# Altium PCB LimeKEY-RPCM_1v2.PcbDoc (part 1 of 8) (continued)
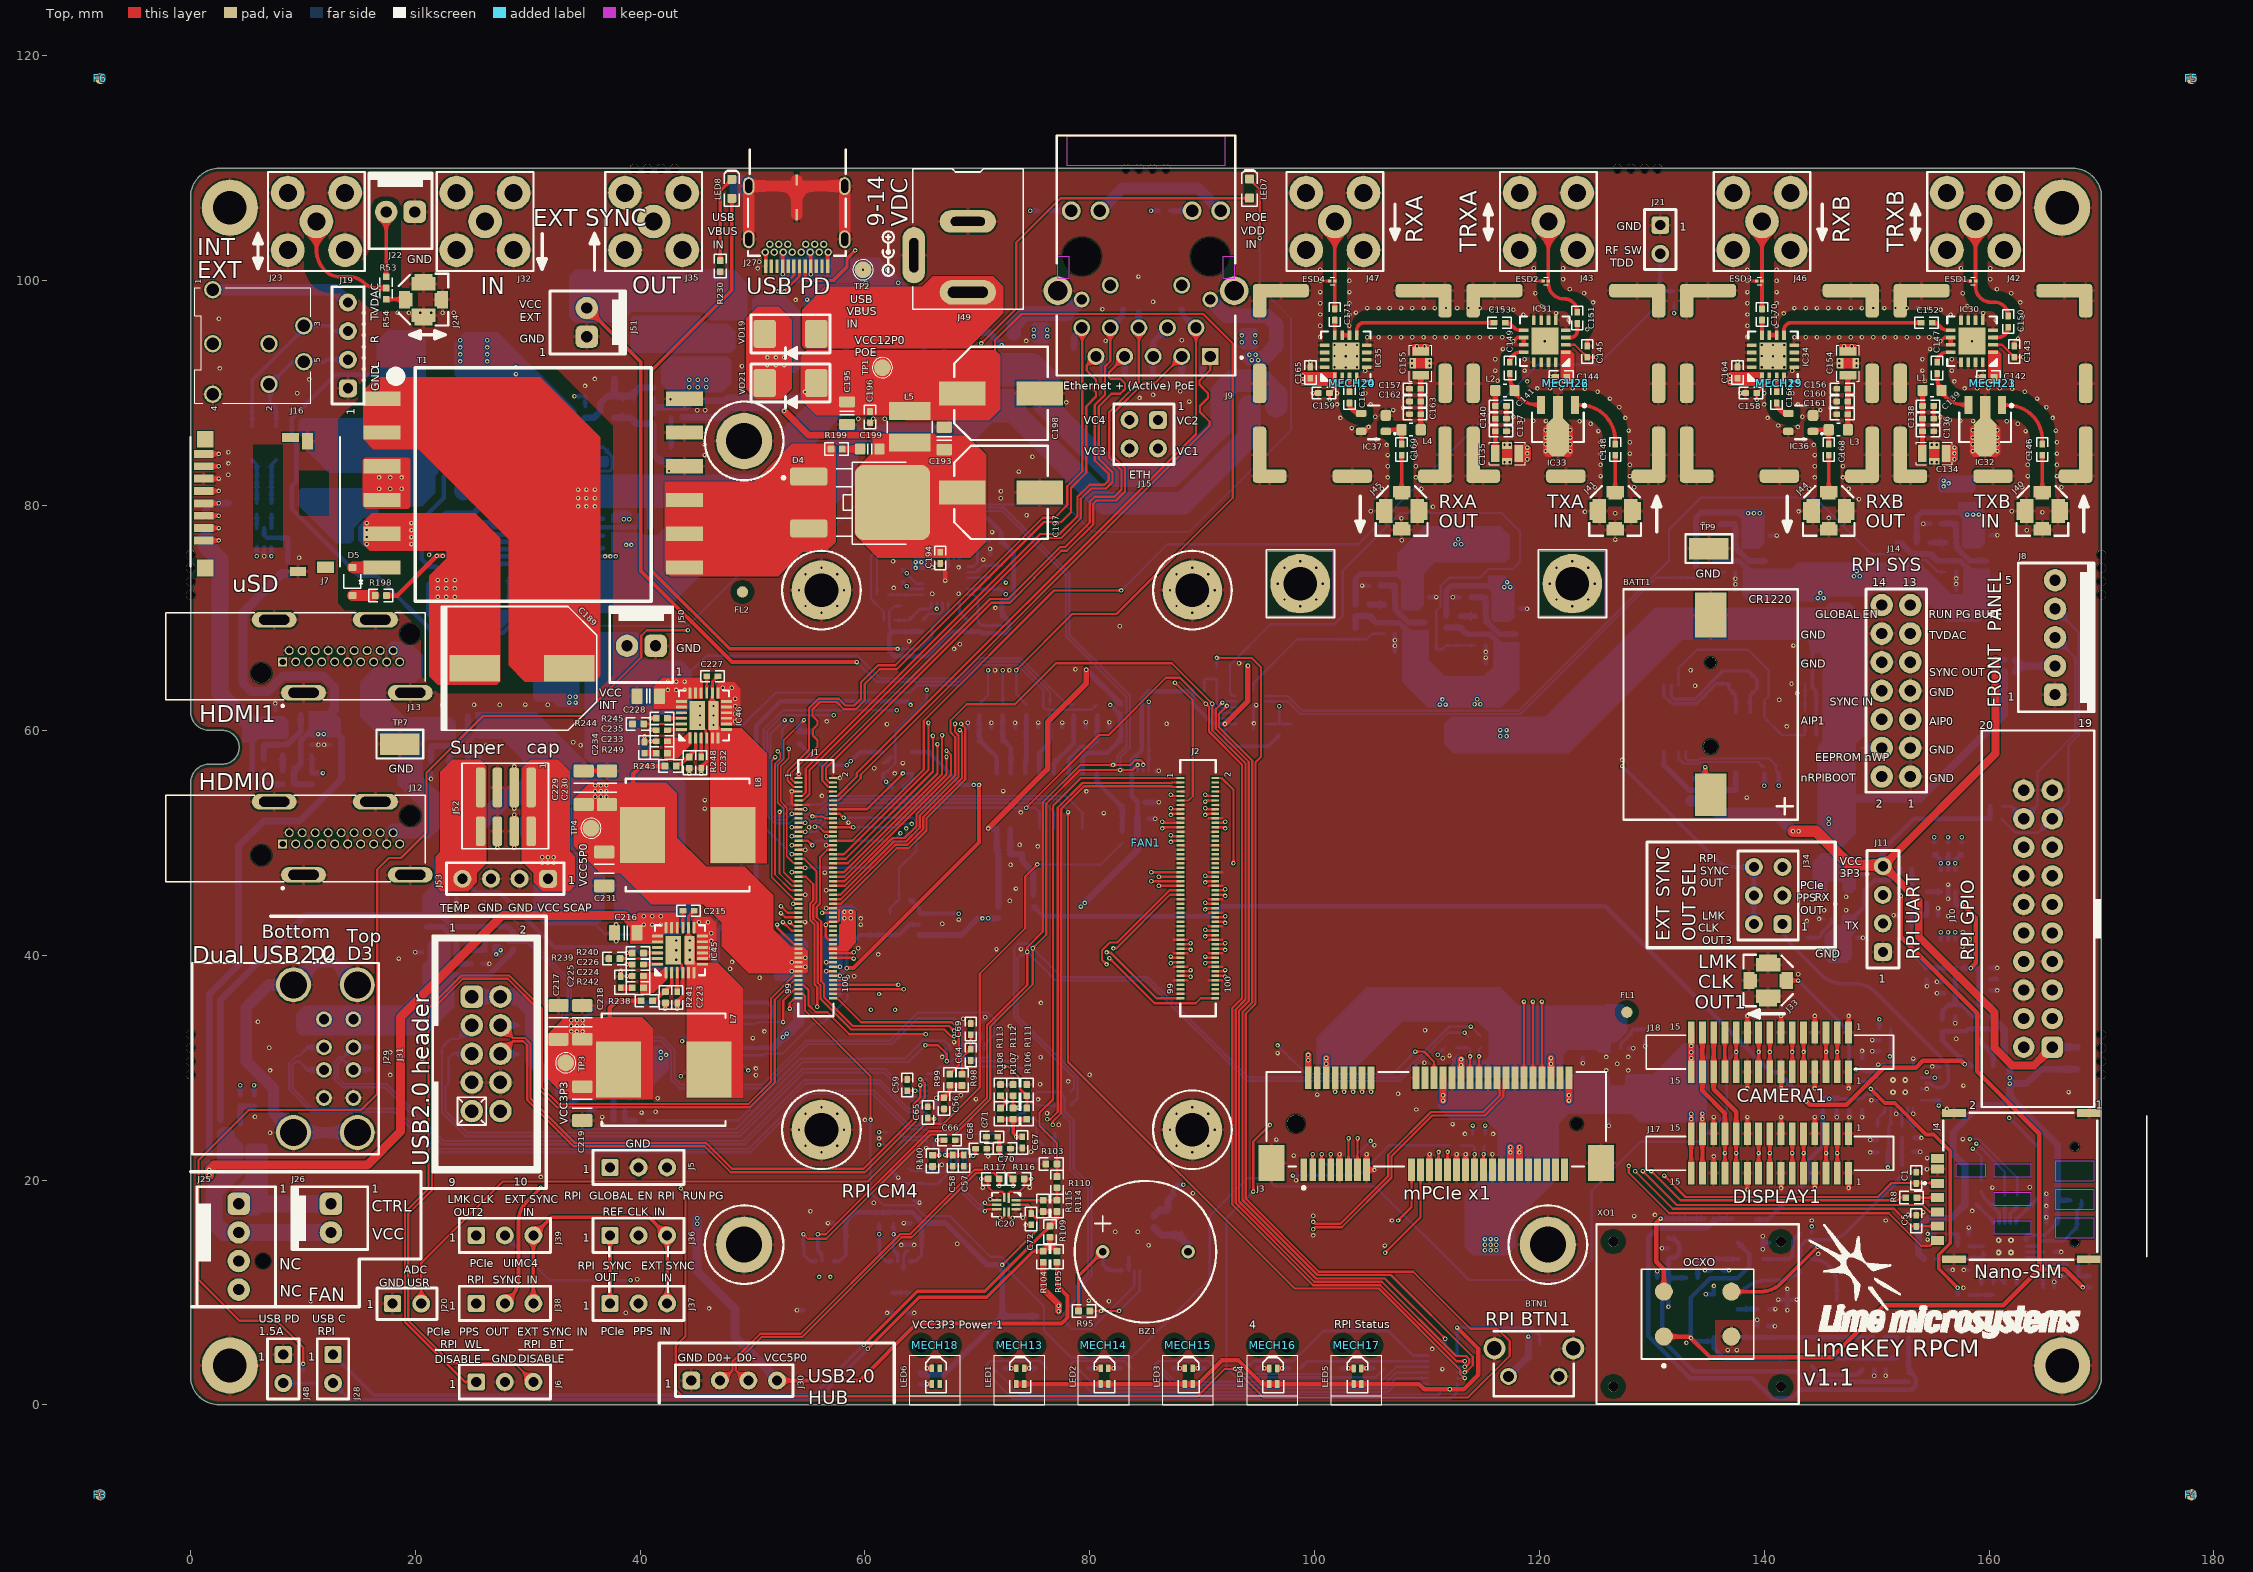
[diagram p0: Top view]
## Components (designator, comment, footprint, x,y, rotation, side; value= is the part's Value field where it differs from the comment)
AT1 "PS2801-1-A" TCMT1107CT_optoisolator 39.6,84.55 r270 bottom
BATT1 "CR1220 Battery Holder" CR1220_SMD_holder 135.225,62.55 r270 top
BR1 "KMB210S" KMB210S_RECTIFIER_BRIDGE 95.375,91.85 r0 bottom
BR2 "KMB210S" KMB210S_RECTIFIER_BRIDGE 74.425,92.35 r0 bottom
BTN1 "Switch tactile right edge" SW_TACTILE_RIGHT_EDGE 119.5,3.775 r0 top
BZ1 "WST-1203UX" BUZZER_WST-1203UX 84.95,13.625 r90 top locked
C1 "1uF, 10V" CAP0402#1 153.525,20.2 r270 top
C2 "47uF, 10V" CAP1206#1 51.125,38.65 r0 bottom
C3 "47uF, 10V" CAP1206#1 51.15,41.005 r0 bottom
C4 "47uF, 10V" CAP1206#1 58.725,37.4 r180 bottom
C5 "22pF, 50V" CAP0402#1 153.525,16.375 r270 top
C6 "47uF, 10V" CAP1206#1 58.725,39.898 r180 bottom
C7 "100nF, 16V" CAP0402#2 60.838,42.3 r90 bottom
C8 "100nF, 16V" CAP0402#2 66.212,42.3 r90 bottom
C9 "100nF, 16V" CAP0402#2 55.7,59.9 r0 bottom
C10 "100nF, 16V" CAP0402#2 51.8,34.05 r270 bottom
C11 "10uF, 16V" CAP0603#1 3.375,81.05 r270 bottom
C12 "100nF, 16V" CAP0402#2 1.8,80.7 r90 bottom
C13 "100nF, 16V" CAP0402#2 65.587,57.575 r270 bottom
C14 "100nF, 16V" CAP0402#2 163.632,65.232 r270 bottom
C15 "100nF, 16V" CAP0402#2 60.213,57.575 r270 bottom
C16 "100nF, 16V" CAP0402#2 51.8,31.26 r270 bottom
C17 "1uF, 10V" CAP0402#2 12.385,59.225 r270 bottom
C18 "100nF, 16V" CAP0402#2 7.535,61.273 r90 bottom
C19 "100nF, 16V" CAP0402#2 10.3,61.373 r0 bottom
C20 "100nF, 16V" CAP0402#2 150.55,49.875 r90 bottom
C21 "100nF, 16V" CAP0402#2 85.625,91.225 r270 bottom
C22 "47uF, 10V" CAP1206#1 7.625,85.55 r270 bottom
C23 "100nF, 16V" CAP0402#2 7.7,82.375 r0 bottom
C24 "100nF, 16V" CAP0402#2 5.4,82.375 r0 bottom
C25 "47uF, 10V" CAP1206#1 5.475,85.55 r270 bottom
C26 "1uF, 10V" CAP0402#2 9.152,76.124 r180 bottom
C27 "100nF, 16V" CAP0402#2 9.15,77.125 r0 bottom
C28 "1uF, 10V" CAP0402#2 27.26,59.125 r270 bottom
C29 "100nF, 16V" CAP0402#2 22.41,61.173 r90 bottom
C30 "100nF, 16V" CAP0402#2 19.85,50.225 r270 bottom
C31 "100nF, 16V" CAP0402#2 20.875,65.025 r0 bottom
C32 "100nF, 16V" CAP0402#2 25.175,61.273 r0 bottom
C33 "4.7uF, 6.3V" CAP0402#2 72.376,45.46 r180 bottom
C34 "100nF, 16V" CAP0402#2 84.75,52.149 r0 bottom
C35 "1uF, 10V" CAP0402#2 75.476,46.435 r180 bottom
C36 "100nF, 16V" CAP0402#2 75.476,47.435 r0 bottom
C37 "100nF, 16V" CAP0402#2 82.251,59.185 r180 bottom
C38 "100nF, 16V" CAP0402#2 82.4,53.15 r180 bottom
C39 "1uF, 10V" CAP0402#2 72.376,46.46 r180 bottom
C40 "100nF, 16V" CAP0402#2 72.376,47.46 r180 bottom
C41 "100nF, 16V" CAP0402#2 64.525,16.175 r180 bottom
C42 "100nF, 16V" CAP0402#2 69.651,59.185 r180 bottom
C43 "100nF, 16V" CAP0402#2 71.751,59.185 r180 bottom
C44 "100nF, 16V" CAP0402#2 73.851,59.185 r180 bottom
C45 "100nF, 16V" CAP0402#2 75.951,59.185 r180 bottom
C46 "100nF, 16V" CAP0402#2 78.051,59.185 r180 bottom
C47 "100nF, 16V" CAP0402#2 80.151,59.185 r180 bottom
C48 "100nF, 16V" CAP0402#2 4.875,21.325 r0 bottom
C49 "100nF, 16V" CAP0402#2 57.775,16.175 r180 bottom
C50 "100nF, 16V" CAP0402#2 113.175,6.125 r180 bottom
C51 "100nF, 16V" CAP0402#2 137.97,54.688 r0 bottom
C52 "100nF, 16V" CAP0402#2 119.525,4.305 r0 bottom
C53 "100nF, 16V" CAP0402#2 93.55,65 r0 bottom
C54 "100nF, 16V" CAP0402#2 143.625,61.2 r90 bottom
C55 "100nF, 16V" CAP0402#2 143.785,67.55 r180 bottom
C56 "1uF, 10V" CAP0402#1 67.025,26.825 r90 top
C57 "1uF, 10V" CAP0402#1 68.8,21.725 r90 top
C58 "100nF, 16V" CAP0402#1 67.8,21.725 r270 top
C59 "100nF, 16V" CAP0402#1 63.75,28.45 r90 top
C60 "22pF, 50V" CAP0402#2 65.375,21.325 r270 bottom
C61 "22pF, 50V" CAP0402#2 65.375,19.15 r90 bottom
C62 "1uF, 10V" CAP0402#2 70.35,33.525 r270 bottom
C63 "100nF, 16V" CAP0402#2 69.351,33.528 r90 bottom
C64 "1uF, 10V" CAP0402#1 69.4,31.125 r90 top
C65 "100nF, 16V" CAP0402#1 65.6,26.025 r90 top
C66 "100nF, 16V" CAP0402#1 67.525,23.55 r0 top
C67 "100nF, 16V" CAP0402#1 74,23.35 r270 top
C68 "100nF, 16V" CAP0402#1 70.342,22.792 r0 top
C69 "100nF, 16V" CAP0402#1 69.4,33.425 r90 top
C70 "100nF, 16V" CAP0402#1 72.45,22.8 r0 top
C71 "1uF, 10V" CAP0402#1 71.3,23.85 r0 top
C72 "100nF, 16V" CAP0402#1 74.775,16.525 r270 top
C73 "100nF, 16V" CAP0402#2 81.65,11.525 r270 bottom
C74 "1uF, 10V" CAP0402#2 23.158,45.115 r0 bottom
C75 "100nF, 16V" CAP0402#2 21.11,40.265 r180 bottom
C76 "47uF, 10V" CAP1206#1 20.008,38.255 r0 bottom
C77 "100nF, 16V" CAP0402#2 21.01,43.03 r90 bottom
C78 "47uF, 10V" CAP1206#1 8.6,34.025 r0 bottom
C79 "1uF, 10V" CAP0402#2 40.21,27.837 r270 bottom
C80 "47uF, 10V" CAP1206#1 31.5,28.425 r0 bottom
C81 "100nF, 16V" CAP0402#2 33.65,31.025 r90 bottom
C82 "47uF, 10V" CAP1206#1 30.925,36.275 r180 bottom
C83 "100nF, 16V" CAP0402#2 38.125,29.985 r0 bottom
C84 "100nF, 16V" CAP0402#2 132.2,17.075 r270 bottom
C85 "10uF, 16V" CAP0603#1 133.475,17.425 r270 bottom
C86 "100pF, 50V" CAP0402#2 131.2,17.075 r90 bottom
C87 "100nF, 16V" CAP0402#2 152.25,24.25 r270 bottom
C88 "100nF, 16V" CAP0402#2 152.25,20.8 r270 bottom
C89 "100nF, 16V" CAP0402#2 153.35,24.25 r90 bottom
C90 "100nF, 16V" CAP0402#2 149.79,3.665 r90 bottom
C91 "1uF, 10V" CAP0402#2 150.79,3.665 r90 bottom
C92 "1uF, 10V" CAP0402#2 150.75,32.45 r0 bottom
C93 "100nF, 16V" CAP0402#2 150.575,22.45 r0 bottom
C94 "100pF, 50V" CAP0402#2 150.575,23.575 r0 bottom
C95 "100pF, 50V" CAP0402#2 150.75,31.45 r0 bottom
C96 "1uF, 10V" CAP0402#2 140.375,6.5 r270 bottom
C97 "100nF, 16V" CAP0402#2 139.375,6.5 r270 bottom
C98 "18nF, 16V" CAP0402#2 139.925,8.525 r180 bottom
C99 "1uF, 10V" CAP0402#2 146.45,26.725 r90 bottom
C100 "100nF, 16V" CAP0402#2 147.575,26.725 r90 bottom
C101 "100pF, 50V" CAP0402#2 155.575,29.6 r270 bottom
C102 "100pF, 50V" CAP0402#2 148.7,26.725 r90 bottom
C103 "100pF, 50V" CAP0402#2 156.1,27.1 r180 bottom
C104 "100pF, 50V" CAP0402#2 148.7,30.35 r270 bottom
C105 "100nF, 16V" CAP0402#2 130.975,11.3 r0 bottom
C106 "100nF, 16V" CAP0402#2 136.3,12.475 r90 bottom
C107 "1uF, 10V" CAP0402#2 131.475,9.75 r90 bottom
C108 "1uF, 10V" CAP0402#2 135.3,12.475 r90 bottom
C109 "100nF, 16V" CAP0402#2 165.6,18.2 r0 bottom
C110 "100nF, 16V" CAP0402#2 156.25,12.5 r90 bottom
C111 "100pF, 50V" CAP0402#2 158.25,12.5 r270 bottom
C112 "100pF, 50V" CAP0402#2 157.25,12.5 r270 bottom
C113 "100pF, 50V" CAP0402#2 160.4,10.275 r270 bottom
C114 "100pF, 50V" CAP0402#2 157.7,9.775 r180 bottom
C115 "1uF, 10V" CAP0402#2 159.598,36.864 r180 bottom
C116 "100nF, 16V" CAP0402#2 159.598,37.864 r0 bottom
C117 "100pF, 50V" CAP0402#2 159.598,38.864 r0 bottom
C118 "100nF, 16V" CAP0402#2 152.64,43.549 r0 bottom
C119 "100pF, 50V" CAP0402#2 165.6,16.2 r180 bottom
C120 "100pF, 50V" CAP0402#2 165.6,17.2 r180 bottom
C121 "100pF, 50V" CAP0402#2 168.325,15.8 r180 bottom
C122 "1nF, 50V" CAP0402#2 154.474,38.374 r270 bottom
C123 "100nF, 16V" CAP0402#2 168.325,16.8 r0 bottom
C124 "1nF, 50V" CAP0402#2 157.7,14.1 r180 bottom
C125 "1nF, 50V" CAP0402#2 155.7,15.2 r180 bottom
C126 "1uF, 10V" CAP0402#2 156.499,36.624 r0 bottom
C127 "100nF, 16V" CAP0402#2 156.499,37.63 r180 bottom
C128 "22pF, 50V" CAP0402#2 167.449,11.45 r0 bottom
C129 "22pF, 50V" CAP0402#2 164.799,12 r90 bottom
C130 "22pF, 50V" CAP0402#2 165.799,12 r90 bottom
C131 "220pF, 10%" CAP0402#2 161.95,10.825 r0 bottom
C132 "22pF, 50V" CAP0402#2 160.35,18.15 r90 bottom
C133 "100nF, 16V" CAP0402#2 157.001,43.988 r270 bottom
C134 "470nF, 16V" CAP0805_FEEDTHROUGH 155.125,84.637 r180 top
C135 "470nF, 16V" CAP0805_FEEDTHROUGH 117.125,84.637 r180 top
C136 "1uF, 10V" CAP0402#1 154.575,86.613 r180 top
C137 "1uF, 10V" CAP0402#1 116.575,86.613 r180 top
C138 "100nF, 16V" CAP0402#1 154.575,87.738 r0 top
C139 "100pF, 50V" CAP0402#1 154.575,88.862 r180 top
C140 "100nF, 16V" CAP0402#1 116.575,87.738 r0 top
C141 "100pF, 50V" CAP0402#1 116.575,88.862 r180 top
C142 "100pF, 50V" CAP0402#1 159.94,91.475 r180 top
C143 "10nF, 50V" CAP0402#1 162.25,93.7 r270 top
C144 "100pF, 50V" CAP0402#1 121.94,91.475 r180 top
C145 "10nF, 50V" CAP0402#1 124.25,93.7 r270 top
C146 "100pF, 50V" CAP0402#1 164.74,84.975 r270 top
C147 "100pF, 50V" CAP0402#1 155.375,92.25 r270 top
C148 "100pF, 50V" CAP0402#1 126.74,84.975 r270 top
C149 "100pF, 50V" CAP0402#1 117.375,92.25 r270 top
C150 "100pF, 50V" CAP0402#1 161.7,96.375 r270 top
C151 "100pF, 50V" CAP0402#1 123.375,96.7 r270 top
C152 "100pF, 50V" CAP0402#1 154.45,96.275 r0 top
C153 "100pF, 50V" CAP0402#1 116.45,96.275 r0 top
C154 "470nF, 16V" CAP0805_FEEDTHROUGH 147.44,92.663 r270 top
C155 "470nF, 16V" CAP0805_FEEDTHROUGH 109.44,92.663 r270 top
C156 "1uF, 10V" CAP0402#1 146.94,90.388 r0 top
C157 "1uF, 10V" CAP0402#1 108.94,90.388 r0 top
C158 "10nF, 50V" CAP0402#1 138.825,90.015 r180 top
C159 "10nF, 50V" CAP0402#1 100.825,90.015 r180 top
C160 "100nF, 16V" CAP0402#1 146.94,89.263 r180 top
C161 "100pF, 50V" CAP0402#1 146.94,88.138 r0 top
C162 "100nF, 16V" CAP0402#1 108.94,89.263 r180 top
C163 "100pF, 50V" CAP0402#1 108.94,88.138 r0 top
C164 "100pF, 50V" CAP0402#1 137.625,91.825 r90 top
C165 "100pF, 50V" CAP0402#1 99.625,91.825 r90 top
C166 "100pF, 50V" CAP0402#1 141.1,89.622 r270 top
C167 "100pF, 50V" CAP0402#1 103.1,89.622 r270 top
C168 "100pF, 50V" CAP0402#1 145.74,84.975 r270 top
C169 "100pF, 50V" CAP0402#1 107.74,84.975 r270 top
C170 "100pF, 50V" CAP0402#1 139.8,97 r270 top
C171 "100pF, 50V" CAP0402#1 101.8,97 r270 top
C172 "1uF, 10V" CAP0402#2 157.523,72.515 r180 bottom
C173 "1uF, 10V" CAP0402#2 137.937,72.488 r180 bottom
C174 "1uF, 10V" CAP0402#2 115.727,65.975 r180 bottom
C175 "1uF, 10V" CAP0402#2 107.65,67.015 r180 bottom
C176 "100nF, 16V" CAP0402#2 159.623,77.365 r0 bottom
C177 "100nF, 16V" CAP0402#2 139.985,77.338 r0 bottom
C178 "100nF, 16V" CAP0402#2 117.775,70.825 r0 bottom
C179 "100nF, 16V" CAP0402#2 109.698,71.865 r0 bottom
C180 "100nF, 16V" CAP0402#2 159.723,74.6 r270 bottom
C181 "100nF, 16V" CAP0402#2 140.085,74.572 r270 bottom
C182 "100nF, 16V" CAP0402#2 117.875,68.06 r270 bottom
C183 "100nF, 16V" CAP0402#2 109.798,69.1 r270 bottom
C184 "1uF, 10V" CAP0402#2 111.95,64.875 r270 bottom
C185 "1uF, 10V" CAP0402#2 147.325,75.1 r270 bottom
C186 "100nF, 16V" CAP0402#2 113.075,64.875 r90 bottom
C187 "100nF, 16V" CAP0402#2 146.325,75.1 r90 bottom
C188 "100nF, 100V" CAP0603#1 34.575,83.05 r270 bottom
C189 "100 uF, 63V" CAP_POL_D10_H10 29.475,65.525 r180 top
C190 "100nF, 100V" CAP0603#1 46.55,79.425 r90 bottom
C191 "1nF, 100V" CAP0603#1 66.275,87.825 r270 bottom
C192 "2.2uF, 100V" CAP1206#1 25.425,74.7 r270 bottom
C193 "10uF, 25V" CAP0805#1 67.05,85.975 r270 top
C194 "22nF, 50V" CAP0402#1 66.7,75.35 r270 top
C195 "10uF, 25V" CAP0805#1 58.4,88.225 r90 top
C196 "22nF, 50V" CAP0402#1 60.45,87.875 r270 top
C197 "100uF, 16V" CAP_POL_SIZE_F_v2 72.1,81.175 r0 top
C198 "100uF, 16V" CAP_POL_SIZE_F_v2 72.1,89.975 r0 top
C199 "470pF, 200V" CAP0603#2 60.425,85.025 r0 top
C200 "470nF, 50V" CAP0603#1 22.8,77.275 r0 bottom
C201 "10nF, 50V" CAP0402#2 22.725,78.5 r0 bottom
C202 "100pF, 200V" CAP0603#1 14.5,77.45 r0 bottom
C203 "1000pF, 2kV" CAP1812 22.9,69.05 r90 bottom
C204 "47nF, 50V" CAP0603#1 39.025,88.775 r270 bottom
C205 "47nF, 50V" CAP0603#1 27.6,80.6 r0 bottom
C206 "1uF, 25V" CAP0603#1 63.775,95.925 r90 bottom
C207 "1uF, 25V" CAP0603#1 60.1,102.4 r270 bottom
C208 "1uF, 25V" CAP0603#1 54.7,99.1 r0 bottom
C209 "1uF, 10V" CAP0402#2 68.891,77.395 r270 bottom
C210 "1uF, 10V" CAP0402#2 67.266,77.845 r0 bottom
C211 "100nF, 16V" CAP0402#2 67.266,78.845 r180 bottom
C212 "100nF, 16V" CAP0402#2 67.266,76.845 r180 bottom
C213 "390pF, 50V" CAP0402#2 62.791,73.245 r180 bottom
C214 "390pF, 50V" CAP0402#2 62.791,74.37 r180 bottom
C215 "100nF, 16V" CAP0402#1 44.3,43.95 r0 top
C216 "10uF, 25V" CAP0805#1 38.712,41.99 r0 top
C217 "47uF, 6.3V" CAP1206#2 32.731,34.019 r270 top
C218 "47uF, 6.3V" CAP1206#2 34.85,34.025 r270 top
C219 "100uF, 6.3V" CAP1206#2 34.85,26.8 r90 top
C220 "10uF, 25V" CAP0805#2 48.2,91.175 r180 bottom
C221 "22nF, 50V" CAP0402#2 43.375,90.1 r270 bottom
C222 "22nF, 50V" CAP0402#2 37.025,96.15 r270 bottom
C223 "1uF, 10V" CAP0402#1 43.3,36.25 r270 top
C224 "4.7pF, 50V" CAP0402#1 39.8,38.15 r180 top
C225 "1200pF, 50V" CAP0402#1 38.261,37.6 r90 top
C226 "22nF, 50V" CAP0402#1 39.8,39.175 r180 top
C227 "100nF, 16V" CAP0402#1 46.425,64.825 r0 top
C228 "10uF, 25V" CAP0805#1 40.725,63.05 r0 top
C229 "47uF, 6.3V" CAP1206#2 34.975,54.9 r270 top
C230 "47uF, 6.3V" CAP1206#2 37.05,54.9 r270 top
C231 "100uF, 6.3V" CAP1206#2 36.8,47.675 r90 top
C232 "1uF, 10V" CAP0402#1 45.425,57.125 r270 top
C233 "2.2pF, 50V" CAP0402#1 41.925,59.025 r180 top
C234 "1200pF, 50V" CAP0402#1 40.386,58.475 r90 top
C235 "100nF, 16V" CAP0402#1 41.925,60.025 r0 top
C236 "100nF, 16V" CAP0402#2 157.483,31.295 r270 bottom
C237 "4.7uF, 6.3V" CAP0402#2 148.15,47.225 r180 bottom
C238 "4.7uF, 6.3V" CAP0402#2 147.775,41.55 r180 bottom
C239 "4.7uF, 6.3V" CAP0402#2 165.85,29.35 r90 bottom
C240 "4.7uF, 6.3V" CAP0402#2 126.175,25.825 r90 bottom
C241 "4.7uF, 6.3V" CAP0402#2 123.875,31.4 r90 bottom
D1 "BAT54C" BAT54C_SOT23-3 134.908,54.688 r0 bottom
D2 "SMBJ100A" SMBJ100A_DIODE_DO-214AA 31.075,83.575 r270 bottom
D3 "ER2D-LTP" ER2D-LTP_DIODE_DO-214AA 21.775,81.225 r180 bottom
D4 "12CWQ06FN" 12CWQ06FN_diode_array_DPAK 58.525,80.275 r180 top
D5 "BAS316" BAS316_DIODE_SOD323#1 14.4,73.25 r90 top
D6 "BAS316" BAS316_DIODE_SOD323#2 24.025,89.225 r0 bottom
D7 "ER2D-LTP" ER2D-LTP_DIODE_DO-214AA 15.225,82.5 r90 bottom
D8 "NCP431AVSNT1G" SOT23-6 36.4,88.775 r180 bottom
D9 "NZH10C-115" NZH10C,115_shottky_diode_SOD123 67.15,95.375 r90 bottom
ESD1 "ESD8472" ESD8472_X3DFN2 158.575,99.975 r180 top
ESD2 "ESD8472" ESD8472_X3DFN2 120.575,99.975 r180 top
ESD3 "ESD8472" ESD8472_X3DFN2 139.575,99.975 r180 top
ESD4 "ESD8472" ESD8472_X3DFN2 101.575,99.975 r180 top
F1 "0R" RES0805 50.1,97.55 r0 bottom
F2 "0R" RES0805 37.875,52.475 r180 bottom
F3 "Fiducial" Fiducial -8.015,-8 r0 top
F4 "Fiducial" Fiducial 178.015,-8 r0 top
F5 "Fiducial" Fiducial 178.015,118 r0 top
F6 "Fiducial" Fiducial -8.015,118 r0 top
F7 "Fiducial" Fiducial -8.015,-8 r0 bottom
F8 "Fiducial" Fiducial 178.015,-8 r0 bottom
F9 "Fiducial" Fiducial 178.015,118 r0 bottom
F10 "Fiducial" Fiducial -8.015,118 r0 bottom
FAN1 "12V DC FAN" FAN_80mm_V1 85,50 r0 top locked
FL1 "Fiducial" Fiducial_local 127.775,34.925 r0 top
FL2 "Fiducial" Fiducial_local 49.1,72.325 r0 top
FL3 "Fiducial" Fiducial_local 140.075,25.8 r180 bottom
FL4 "Fiducial" Fiducial_local 49,69.525 r180 bottom
FR1 "600R, 2A" RES0805 1.375,78.05 r270 bottom
FR2 "600R, 0.5A" RES0402#1 8.65,74.452 r270 bottom
FR3 "600R, 0.5A" RES0402#1 71.876,43.785 r90 bottom
FR4 "600R, 2A" RES0805 138.15,16.575 r180 bottom
FR5 "600R, 0.5A" RES0402#1 150.75,33.5 r0 bottom
FR6 "600R, 0.5A" RES0402#1 145.275,26.725 r90 bottom
FR7 "600R, 0.5A" RES0402#1 154.7,13 r0 bottom
FR8 "600R, 0.5A" RES0402#1 160.199,35.074 r270 bottom
FR9 "600R, 2A" RES0805 112.925,61.8 r90 bottom
FR10 "600R, 2A" RES0805 146.875,71.95 r90 bottom
FR11 "600R, 2A" RES0805 60.15,89.825 r180 bottom
FR12 "600R, 2A" RES0805 60.15,85.825 r180 bottom
FR13 "600R, 2A" RES0805 47.35,93.525 r270 bottom
FR14 "600R, 2A" RES0805 146.225,49.05 r270 bottom
FR15 "600R, 2A" RES0805 167.85,30.85 r270 bottom
IC1 "SN74AVC1T45DBV" SOT23-6 63.525,42.75 r0 bottom
IC2 "74LVC1G34QSE-7" 74AHCT1G126SE-7_BUFFER_SOT353 49.025,33.89 r180 bottom
IC3 "SN74AVC1T45DBV" SOT23-6 62.9,57.125 r180 bottom
IC4 "74LVC1G34QSE-7" 74AHCT1G126SE-7_BUFFER_SOT353 49.025,31.1 r180 bottom
IC5 "MIC2039" SOT23-6 9.5,58.725 r180 bottom
IC6 "NC7WZ16P6X" SC-70_NC7WZ16P6X 6.55,77.125 r90 bottom
IC7 "MIC2039" SOT23-6 24.375,58.625 r180 bottom
IC8 "MCP3208" MCP3208-CI/SL_SOIC16 76.158,53.727 r270 bottom
IC9 "LM75" HWSON8_LM75 85,55 r270 bottom
IC10 "CAT24C128WI-GT3" SOIC127P600-8DL_v2 63.175,11.375 r90 bottom
IC11 "M24128" M24128-DFMC6TG 63.175,11.375 r90 bottom
IC12 "ATECC508A" SOIC127P600-8DL_v2 56.425,11.375 r90 bottom
IC13 "ATECC508A" ATECC508A_UDFN8 56.425,11.375 r90 bottom
IC14 "74AHC595" 74HC595BQ,115 111.375,3.184 r90 bottom
IC15 "PCF85063AT" PCF85063AT_RTC_SOIC-8 139.375,58.9 r270 bottom
IC16 "74AHC595" 74HC595BQ,115 94.314,61.77 r270 bottom
IC17 "PCF85063AT" PCF85063AT_RTC_TSSOP8 132.05,61.05 r270 bottom
IC18 "74LVC1G34QSE-7" 74AHCT1G126SE-7_BUFFER_SOT353 143.625,65.115 r90 bottom
IC19 "USB2517" USB2517-JZX-TR_USB_HUB_QFN64 69.875,27.2 r0 bottom
IC20 "FSUSB42UMX" FSUSB42UMX 72.575,17.8 r270 top
IC21 "M24C02" SOIC127P600-8DL_v2 77.2,10.725 r270 bottom
IC22 "AT24C02" M24128-DFMC6TG 83.7,13.35 r270 bottom
IC23 "MIC2039" SOT23-6 23.658,42.23 r270 bottom
IC24 "MIC2039" SOT23-6 37.325,27.337 r180 bottom
IC25 "LMK00105" LMK00105SQ 152,28.35 r0 bottom
IC26 "LP5907-3.0" SOT23-5 132.775,13.925 r0 bottom
IC27 "AD5662" AD5662_SOT23-8 156.674,40.149 r90 bottom
IC28 "ADF4002" ADF4002 161.4,14.1 r90 bottom
IC29 "AD5601BKSZ-REEL7" AD5601_SOT23-6 156.349,46.599 r270 bottom
IC30 "SKY13286" SKY13286-359LF_RF_switch_QFN16 158.475,94.625 r180 top
IC31 "SKY13286" SKY13286-359LF_RF_switch_QFN16 120.475,94.625 r180 top
IC32 "SBB-5089" SBB-5089_RF_AMP_SOT89 159.65,86.95 r270 top
IC33 "SBB-5089" SBB-5089_RF_AMP_SOT89 121.65,86.95 r270 top
IC34 "SKY13286" SKY13286-359LF_RF_switch_QFN16 140.775,93.29 r90 top
IC35 "SKY13286" SKY13286-359LF_RF_switch_QFN16 102.775,93.29 r90 top
IC36 "SPF5043Z" SPF5043Z_SOT-343 143.24,87.4 r90 top
IC37 "SPF5043Z" SPF5043Z_SOT-343 105.24,87.4 r90 top
IC38 "MIC2039" SOT23-6 157.075,75.4 r90 bottom
IC39 "MIC2039" SOT23-6 137.437,75.372 r90 bottom
IC40 "MIC2039" SOT23-6 115.227,68.86 r90 bottom
IC41 "MIC2039" SOT23-6 107.15,69.9 r90 bottom
IC42 "NCP1083" NCP1083_PoE_controller_TSSOP20 31.45,76.45 r180 bottom
IC43 "IRF9358TRPBF" IRF9358TRPBF_DUAL_NMOS_SOIC8 60.15,95.975 r90 bottom
IC44 "CYPD3177-24LQXQT" USB_POWER_DISTR_CYPD3177_QFN24 67.15,73.325 r180 bottom
IC45 "ADP2386" ADP2386 43.55,40.45 r90 top
IC46 "ADP2386" ADP2386 45.675,61.325 r90 top
IC47 "AP7361-FGE" AP7361 146.3,44.6 r90 bottom
IC48 "AS431" SOT23-3_v2 159.425,28.975 r270 bottom
IC49 "AP7361-FGE" AP7361 126.925,30.35 r270 bottom
J1 "DF40C-100DS-0.4V(51)" FP-DF40C-100DS-0.4V(51) 55.625,45.975 r270 top locked
J2 "DF40C-100DS-0.4V(51)" FP-DF40C-100DS-0.4V(51) 89.625,45.975 r270 top locked
J3 "1775862-2" MINIPCIE_CONNECTOR_XTRX 110.825,25.4 r0 top locked
J4 "nano SIM (push-push)" NANO_SIM_SIM8066-6-1-14-01-A 162.775,19.45 r90 top
J5 "Header 3x1 pin" HDR_1x3 39.859,21.125 r90 top
J6 "Header 3x1 pin" HDR_1x3 27.959,2.038 r90 top
J7 "Micro SD card holder" MICRO_SD_CARD_114-00841-68_v2 6.593,80.1 r270 top locked
J8 "Header 5X1" Header1x5_TH_LOCKING 165.875,68.275 r270 top
J9 "ETHERNET WITH MAGNETICS" RJ45_ETHERNET_MAG_A70-112-331N126 85,99.75 r180 top locked
J10 "Header 10X2" HEADER10X2_TH_LOCK 164.35,43.25 r90 top locked
J11 "Header 4x1" HEADER4X1_TH 150.55,44.1 r90 top
J12 "HDMI Type A socket (angle)" HDMI_HD01-19-RA-TH 8.2,49.898 r180 top locked
J13 "HDMI Type A socket (angle)" HDMI_HD01-19-RA-TH 8.2,66.098 r180 top locked
J14 "Header 7X2" Header7x2_TH 151.725,63.525 r90 top
J15 "Header 2X2" HEADER2X2_TH 84.8,86.35 r180 top
J16 "A/V, 3.5mm" Audio_jack_3.5mm -0.925,94.4 r0 top
J17 "FPC 15-pin" FPC_CONNECTOR_15pin_1-1734248-5 140.5,22.375 r0 top
J18 "FPC 15-pin" FPC_CONNECTOR_15pin_1-1734248-5 140.5,31.375 r0 top
J19 "Header 4x1" HEADER4X1_TH 14,94.25 r90 top
J20 "Header 2X1" HDR_1x2 19.25,9 r90 top
J21 "Header 2X1" HDR_1x2 130.75,103.675 r0 top
J22 "Header 2X1" Header1x2_TH_LOCKING 18.675,106.125 r0 top
J23 "SMA panel mount" SMA_connector_side 11.2,105.275 r270 top locked
J24 "U.FL/MMCX" MMCX_UFL_conn_u 20.725,98.325 r90 top
J25 "4 pin FAN header" Header1x4_TH_LOCKING_v2 4.287,14.066 r90 top
J26 "Header 2X1" Header1x2_TH_LOCKING 12.491,16.609 r90 top
J27 "USB type C connector" DUAL_USB-C_632723100011 53.925,107.225 r180 top locked
J28 "Header 2X1" HDR_1x2 12.675,3.2 r0 top
J29 "2xUSB A" USB_typeA_double_USBR-A-D-F-O-TH 12,30.8 r270 top locked
J30 "USB" HEADER4X1_TH 48.359,2.163 r0 top
J31 "Header 5X2" Header5x2_TH 26.3,31.225 r270 top locked
J32 "SMA panel mount" SMA_connector_side 26.2,105.275 r270 top locked
J33 "U.FL/MMCX" MMCX_UFL_conn_u 140.35,37.75 r270 top
J34 "Header 3X2" Header3x2 140.35,44.032 r90 top
J35 "SMA panel mount" SMA_connector_side 41.2,105.275 r270 top locked
J36 "Header 3x1 pin" HDR_1x3 39.859,15.075 r90 top
J37 "Header 3x1 pin" HDR_1x3 39.859,9.025 r90 top
J38 "Header 3x1 pin" HDR_1x3 27.959,9.025 r90 top
J39 "Header 3x1 pin" HDR_1x3 27.959,15.075 r90 top
J40 "U.FL/MMCX" MMCX_UFL_conn_u 164.74,79.525 r0 top
J41 "U.FL/MMCX" MMCX_UFL_conn_u 126.74,79.525 r0 top
J42 "SMA panel mount" SMA_connector_side 158.8,105.275 r270 top locked
J43 "SMA panel mount" SMA_connector_side 120.8,105.275 r270 top locked
J44 "U.FL/MMCX" MMCX_UFL_conn_u 145.74,79.525 r0 top
J45 "U.FL/MMCX" MMCX_UFL_conn_u 107.74,79.525 r0 top
J46 "SMA panel mount" SMA_connector_side 139.8,105.275 r270 top locked
J47 "SMA panel mount" SMA_connector_side 101.8,105.275 r270 top locked
J48 "Header 2X1" HDR_1x2 8.25,3.2 r0 top
J49 "CONN_PWR_JACK_2.1x5.5mm" CONN_PWR_JACK_v2 69.15,112.975 r0 top locked
J50 "Header 2X1" Header1x2_TH_LOCKING 40.1,67.525 r0 top
J51 "Header 2X1" Header1x2_TH_LOCKING 35.25,96.3 r270 top
J52 "Scap" 874370443_1P5_SMD_HEADER 28.05,52.975 r270 top
J53 "Scap" HEADER4X1_TH 28,46.8 r180 top
L1 "22nH, 2%" RES0603#1 154.925,90.25 r0 top
L2 "22nH, 2%" RES0603#1 116.925,90.25 r0 top
L3 "22nH, 2%" RES0603#1 146.59,86.75 r180 top
L4 "22nH, 2%" RES0603#1 108.59,86.75 r180 top
L5 "1uH, 3.2A" NRS4018T3R3MDGJ_inductor 63.975,87 r90 top
L6 "1uH, 3.2A" NRS4018T3R3MDGJ_inductor 44.225,93.55 r270 bottom
L7 "2.2µH" FDVE1040_TOKO_INDUCTOR 42.089,29.825 r180 top
L8 "3.3µH" FDVE1040_TOKO_INDUCTOR 44.225,50.7 r180 top
LED1 "LED_RG_SMD" LED-2x0603 73.785,2.628 r90 top
LED2 "LED_RG_SMD" LED-2x0603 81.285,2.628 r90 top
LED3 "LED_RG_SMD" LED-2x0603 88.785,2.628 r90 top
LED4 "LED_RG_SMD" LED-2x0603 96.285,2.625 r90 top
LED5 "LED_RG_SMD" LED-2x0603 103.785,2.625 r90 top
LED6 "LED_RG_SMD" LED-2x0603 66.285,2.628 r90 top
LED7 "LED_green" LED-0603-GREEN 94.2,108.2 r90 top
LED8 "Green" LED-0603-GREEN 48.15,108.175 r90 top
MECH13 "Light pipe" LIGHT_PIPE_RIGHT_ANGLE_SLP3-200-100-F 73.785,5.303 r270 top locked
MECH14 "Light pipe" LIGHT_PIPE_RIGHT_ANGLE_SLP3-200-100-F 81.285,5.303 r270 top locked
MECH15 "Light pipe" LIGHT_PIPE_RIGHT_ANGLE_SLP3-200-100-F 88.785,5.303 r270 top locked
MECH16 "Light pipe" LIGHT_PIPE_RIGHT_ANGLE_SLP3-200-100-F 96.285,5.303 r270 top locked
MECH17 "Light pipe" LIGHT_PIPE_RIGHT_ANGLE_SLP3-200-100-F 103.785,5.3 r270 top locked
MECH18 "Light pipe" LIGHT_PIPE_RIGHT_ANGLE_SLP3-200-100-F 66.285,5.303 r270 top locked
MECH19 "RF SHIELD FRAME" RF_SHIELD_FRAME_16P5x16P5_2118716-2_v1 141.35,90.875 r0 top
MECH20 "RF SHIELD FRAME" RF_SHIELD_FRAME_16P5x16P5_2118716-2_v1 103.35,90.875 r0 top
MECH21 "RF SHIELD FRAME" RF_SHIELD_FRAME_16P5x16P5_2118716-2_v1 160.35,90.875 r0 top
MECH22 "RF SHIELD FRAME" RF_SHIELD_FRAME_16P5x16P5_2118716-2_v1 122.35,90.875 r0 top locked
MECH23 "RF SHIELD COVER" RF_SHIELD_COVER_16Px916P9_2118715-2 160.35,90.875 r90 top
MECH24 "RF SHIELD COVER" RF_SHIELD_COVER_16Px916P9_2118715-2 103.35,90.89 r90 top
MECH25 "RF SHIELD COVER" RF_SHIELD_COVER_16Px916P9_2118715-2 141.35,90.89 r90 top
MECH26 "RF SHIELD COVER" RF_SHIELD_COVER_16Px916P9_2118715-2 122.35,90.875 r90 top
MECH30 "# pcs." PCB_standoff 3.5,3.5 r180 bottom
MECH31 "# pcs." PCB_standoff 3.5,106.5 r180 bottom
MECH32 "# pcs." PCB_standoff 166.5,106.5 r180 bottom
MECH33 "# pcs." PCB_standoff 166.5,3.5 r180 bottom
R1 "0R" RES0402#1 100.8,20.9 r270 bottom
R2 "0R" RES0402#1 102.4,21.4 r0 bottom
R3 "0R" RES0402#1 112.475,23.1 r180 bottom
R4 "0R" RES0402#1 114.075,23.575 r90 bottom
R5 "0R" RES0402#1 115.175,23.575 r90 bottom
R6 "0R" RES0402#1 112.075,31.775 r180 bottom
R7 "0R" RES0805 57.175,42.4 r90 bottom
R8 "0R" RES0402#2 153.09,18.435 r0 top
R9 "0R" RES0402#1 113.675,32.275 r90 bottom
R10 "0R" RES0402#1 114.775,32.275 r90 bottom
R11 "100k, 1%" RES0402#1 45.4,35.275 r270 bottom
R12 "10k, 1%" RES0402#1 54.1,59.4 r90 bottom
R13 "2k2, 1%" RES0402#1 160.6,52.15 r180 bottom
R14 "0R" RES0402#1 45.4,33.175 r90 bottom
R15 "0R" RES0402#1 63.525,44.972 r180 bottom
R16 "0R" RES0402#1 161.832,65.182 r0 bottom
R17 "2k2, 1%" RES0402#1 160.6,53.25 r180 bottom
R18 "0R" RES0402#1 161.832,66.282 r0 bottom
R19 "0R" RES0402#1 8.7,55.213 r0 bottom
R20 "0R" RES0402#1 46.575,30.95 r90 bottom
R21 "10k, 1%" RES0402#1 10.8,55.7 r270 bottom
R22 "1k, 1%" RES0402#1 62.9,54.903 r180 bottom
R23 "0R" RES0402#1 6.51,59.173 r90 bottom
R24 "10k, 1%" RES0402#1 8.7,56.438 r180 bottom
R25 "470R, 1%" RES0402#1 6.51,56.923 r90 bottom
R26 "470R, 1%" RES0402#1 86.65,106.225 r180 bottom
R27 "470R, 1%" RES0402#1 75.9,106.225 r180 bottom
R28 "0R" RES0402#1 148.65,57.95 r90 bottom
R29 "220R, 1%" RES0402#1 7.2,79.725 r90 bottom
R30 "100R, 1%" RES0402#1 7.7,81.325 r180 bottom
R31 "2k2, 1%" RES0402#1 8.125,88.6 r0 bottom
R32 "100R, 1%" RES0402#1 5.4,81.325 r180 bottom
R33 "2k2, 1%" RES0402#1 4.975,88.625 r0 bottom
R34 "220R, 1%" RES0402#1 5.9,79.725 r90 bottom
R35 "0R" RES0402#1 23.575,55.113 r0 bottom
R36 "10k, 1%" RES0402#1 25.675,55.838 r270 bottom
R37 "0R" RES0402#1 21.385,59.073 r90 bottom
R38 "10k, 1%" RES0402#1 23.575,56.338 r180 bottom
R39 "470R, 1%" RES0402#1 21.385,56.823 r90 bottom
R40 "0R" RES0402#1 131.975,98.575 r270 bottom
R41 "0R" RES0402#1 130.75,98.575 r270 bottom
R42 "10k, 1%" RES0402#1 84.75,57.851 r180 bottom
R43 "1k, 1%" RES0402#1 131.25,100.45 r0 bottom
R44 "2k2, 1%" RES0402#1 61.27,16.615 r90 bottom
R45 "2k2, 1%" RES0402#1 62.54,16.615 r90 bottom
R46 "3k, 1%" RES0402#1 72.376,49.01 r180 bottom
R47 "22k, 1%" RES0402#1 82.751,61.835 r270 bottom
R48 "10k, 1%" RES0402#1 82.9,50.5 r90 bottom
R49 "0R" RES0402_v2#1 74.976,44.86 r90 bottom
R50 "10k, 1%" RES0402#1 74.474,49.01 r0 bottom
R51 "10k, 1%" RES0402#1 82.251,60.235 r180 bottom
R52 "10k, 1%" RES0402#1 82.4,52.1 r180 bottom
R53 "0R" RES0402_v2#2 17.4,99.85 r90 top
R54 "0R" RES0402_v2#2 17.4,98.85 r270 top
R55 "10k, 1%" RES0402#1 70.151,61.835 r270 bottom
R56 "10k, 1%" RES0402#1 72.251,61.835 r270 bottom
R57 "10k, 1%" RES0402#1 74.351,61.835 r270 bottom
R58 "10k, 1%" RES0402#1 76.451,61.835 r270 bottom
R59 "10k, 1%" RES0402#1 78.551,61.835 r270 bottom
R60 "10k, 1%" RES0402#1 80.651,61.835 r270 bottom
R61 "1.6k, 1%" RES0402#1 69.651,60.235 r0 bottom
R62 "1.6k, 1%" RES0402#1 71.751,60.235 r0 bottom
R63 "1.6k, 1%" RES0402#1 73.851,60.235 r0 bottom
R64 "1.6k, 1%" RES0402#1 75.951,60.235 r0 bottom
R65 "1.6k, 1%" RES0402#1 78.051,60.235 r0 bottom
R66 "1.6k, 1%" RES0402#1 80.151,60.235 r0 bottom
R67 "0R" RES0402#1 2.175,22.578 r0 bottom
R68 "0R" RES0402#1 2.675,24.875 r270 bottom
R69 "0R" RES0402#1 2.175,21.325 r0 bottom
R70 "100k, 1%" RES0402#1 96.85,60.07 r90 bottom
R71 "330R, 1%" RES0402#1 71.91,3.253 r0 bottom
R72 "0R" RES0402#1 7.075,21.325 r180 bottom
R73 "0R" RES0402#1 5.65,27.05 r270 bottom
R74 "330R, 1%" RES0402#1 75.71,3.253 r180 bottom
R75 "100k, 1%" RES0402#1 97.95,60.075 r270 bottom
R76 "0R" RES0402#1 4.425,27.05 r270 bottom
R77 "330R, 1%" RES0402#1 79.41,3.253 r0 bottom
R78 "330R, 1%" RES0402#1 83.21,3.253 r180 bottom
R79 "330R, 1%" RES0402#1 86.91,3.253 r0 bottom
R80 "330R, 1%" RES0402#1 90.71,3.253 r180 bottom
R81 "10k, 1%" RES0402#1 119.525,5.355 r180 bottom
R82 "0R" RES0402#1 85.685,16.29 r270 bottom
R83 "330R, 1%" RES0402#1 94.41,3.25 r0 bottom
R84 "330R, 1%" RES0402#1 98.21,3.25 r180 bottom
R85 "1k, 1%" RES0402#1 87.91,18.69 r0 bottom
R86 "330R, 1%" RES0402#1 101.91,3.25 r0 bottom
R87 "330R, 1%" RES0402#1 105.71,3.25 r180 bottom
R88 "470k, 1%" RES0402#1 144.125,59.6 r0 bottom
R89 "470k, 1%" RES0402#1 144.125,62.8 r0 bottom
R90 "100k, 1%" RES0402#1 89.675,63.475 r0 bottom
R91 "0R" RES0402#1 91.275,65.075 r90 bottom
R92 "330R, 1%" RES0402#1 64.91,2.353 r90 bottom
R93 "0R" RES0402#1 90.175,65.075 r90 bottom
R94 "0R" RES0402#1 62.475,24.25 r0 bottom
R95 "10k, 1%" RES0402#2 79.5,8.35 r180 top
R96 "10k, 1%" RES0402#1 76.375,24.175 r180 bottom
R97 "0R" RES0402#1 62.475,23.15 r0 bottom
R98 "10k, 1%" RES0402#2 68.64,28.915 r90 top
R99 "0R" RES0402#2 67.55,28.925 r90 top
R100 "12k, 1%" RES0402#2 66.012,21.712 r270 top
R101 "10k, 1%" RES0402#1 76.375,23.075 r0 bottom
R102 "1M, 1%" RES0402#1 66.425,20.15 r270 bottom
R103 "2k2, 1%" RES0402#2 76.575,21.425 r180 top
R104 "0R" RES0402#2 75.85,13.175 r270 top
R105 "0R" RES0402#2 77.075,13.175 r270 top
R106 "10k, 1%" RES0402#2 74.4,25.9 r270 top
R107 "10k, 1%" RES0402#2 73.175,25.9 r270 top
R108 "10k, 1%" RES0402#2 72.05,25.9 r270 top
R109 "0R" RES0402#2 76.45,15.4 r270 top
R110 "0R" RES0402#2 77.075,19.806 r90 top
R111 "10k, 1%" RES0402#2 74.4,28 r270 top
R112 "10k, 1%" RES0402#2 73.175,28 r90 top
R113 "10k, 1%" RES0402#2 72.05,28 r270 top
R114 "2k2, 1%" RES0402#2 77.075,17.7 r90 top
R115 "2k2, 1%" RES0402#2 75.85,17.7 r270 top
R116 "0R" RES0402#2 73.675,20.1 r0 top
R117 "0R" RES0402#2 71.45,20.106 r180 top
R118 "0R" RES0402#1 77.775,27.825 r0 bottom
R119 "0R" RES0402#1 77.775,26.625 r0 bottom
R120 "0R" RES0402#1 28.683,41.08 r90 bottom
R121 "0R" RES0402#1 26.658,43.53 r0 bottom
R122 "0R" RES0402#1 26.658,44.755 r0 bottom
R123 "0R" RES0402#1 23.21,39.24 r180 bottom
R124 "470R, 1%" RES0402#1 25.46,39.24 r180 bottom
R125 "0R" RES0402#1 26.658,41.68 r0 bottom
R126 "0R" RES0402#1 38.125,31.275 r0 bottom
R127 "0R" RES0402#1 38.125,25.329 r180 bottom
R128 "0R" RES0402#1 40.166,25.329 r0 bottom
R129 "0R" RES0402#1 34.387,27.837 r90 bottom
R130 "470R, 1%" RES0402#1 32.425,26.475 r0 bottom
R131 "0R" RES0402#1 34.2,25.375 r180 bottom
R132 "0R" RES0402_v2#1 143.7,14.075 r0 bottom
R133 "0R" RES0402#1 135.225,16.575 r180 bottom
R134 "0R" RES0402#1 150.575,24.75 r0 bottom
R135 "0R" RES0402#1 148.15,28.75 r0 bottom
R136 "49.9R, 1%" RES0402#1 152.75,22.525 r180 bottom
R137 "0R" RES0402#1 148.74,3.665 r90 bottom
R138 "0R" RES0402_v2#1 143.7,12.975 r0 bottom
R139 "0R" RES0402#1 152.34,4.165 r0 bottom
R140 "0R" RES0402#1 152.325,6 r180 bottom
R141 "0R" RES0402#1 99.7,20.9 r90 bottom
R142 "0R" RES0402_v2#1 143.2,12.475 r90 bottom
R143 "22R, 1%" RES0402#1 150.2,6 r180 bottom
R144 "0R" RES0402#1 152.84,2.565 r270 bottom
R145 "0R" RES0402_v2#1 142.7,12.975 r180 bottom
R146 "0R" RES0402#1 133.575,11.3 r180 bottom
R147 "0R" RES0402_v2#1 143.725,15.3 r0 bottom
R148 "1k, 1%" RES0402#1 153.14,41.989 r270 bottom
R149 "0R" RES0402#1 152.64,44.659 r0 bottom
R150 "49.9R, 1%" RES0402#1 159.3,10.275 r270 bottom
R151 "10R, 1%" RES0402#1 167.725,18.2 r180 bottom
R152 "0R" RES0402_v2#1 155.849,33.739 r270 bottom
R153 "3k, 1%" RES0402#1 159.099,35.074 r90 bottom
R154 "1k, 1%" RES0402#1 158.364,17.84 r180 bottom
R155 "470R, 1%" RES0402#1 167.449,12.5 r0 bottom
R156 "49.9R, 1%" RES0402#1 157.7,15.2 r180 bottom
R157 "0R" RES0402#1 168.999,10.95 r270 bottom
R158 "10k, 1%" RES0402#1 156.999,35.075 r270 bottom
R159 "10k, 1%" RES0402#1 163.6,18.15 r90 bottom
R160 "10k, 1%" RES0402#1 165.349,13.6 r0 bottom
R161 "330R, 1%" RES0402#1 165.299,10.4 r180 bottom
R162 "10k, 1%" RES0402#1 152.64,47.675 r0 bottom
R163 "49.9R, 1%" RES0402#1 159.3,19.45 r270 bottom
R164 "3k, 1%" RES0402#1 154.465,45.149 r90 bottom
R165 "49.9R, 1%" RES0402#1 161.4,18.15 r270 bottom
R166 "49.9R, 1%" RES0402#1 162.5,18.15 r270 bottom
R167 "10k, 1%" RES0402#1 154.965,43.549 r0 bottom
R168 "49.9R, 1%" RES0402#1 155.124,49.549 r90 bottom
R169 "49.9R, 1%" RES0402#1 156.349,49.549 r90 bottom
R170 "49.9R, 1%" RES0402#1 157.574,49.549 r90 bottom
R171 "0R" RES0402#1 153.563,76.2 r270 bottom
R172 "0R" RES0402#1 133.925,76.172 r270 bottom
R173 "0R" RES0402#1 111.715,69.66 r270 bottom
R174 "0R" RES0402#1 103.638,70.7 r270 bottom
R175 "100k, 1%" RES0402#1 151.85,76.2 r270 bottom
R176 "100k, 1%" RES0402#1 133.925,74.075 r270 bottom
R177 "100k, 1%" RES0402#1 110.325,67.2 r0 bottom
R178 "100k, 1%" RES0402#1 103.65,68.6 r270 bottom
R179 "0R" RES0805 158.025,80.888 r270 bottom
R180 "0R" RES0805 116.177,74.348 r270 bottom
R181 "0R" RES0402#1 157.525,78.388 r0 bottom
R182 "0R" RES0402#1 137.885,78.363 r0 bottom
R183 "0R" RES0402#1 107.598,72.89 r0 bottom
R184 "0R" RES0402#1 115.675,71.85 r0 bottom
R185 "100k, 1%" RES0402#1 150.625,76.2 r90 bottom
R186 "100k, 1%" RES0402#1 132.825,73.075 r270 bottom
R187 "100k, 1%" RES0402#1 112.25,67.05 r270 bottom
R188 "100k, 1%" RES0402#1 102.55,67.6 r270 bottom
R189 "10k, 1%" RES0402#1 154.788,76.2 r90 bottom
R190 "10k, 1%" RES0402#1 135.15,76.172 r90 bottom
R191 "10k, 1%" RES0402#1 112.94,69.66 r90 bottom
R192 "10k, 1%" RES0402#1 104.863,70.7 r90 bottom
R193 "470R, 1%" RES0402#1 155.273,78.39 r0 bottom
R194 "470R, 1%" RES0402#1 135.635,78.363 r0 bottom
R195 "470R, 1%" RES0402#1 113.425,71.85 r0 bottom
R196 "470R, 1%" RES0402#1 105.348,72.89 r0 bottom
R197 "30.1R, 1%" RES0402#1 37.225,78.85 r180 bottom
R198 "75R, 1%" RES0402#2 16.925,72 r180 top
R199 "75R, 1%" RES0402#2 57.475,85.025 r0 top
R200 "118k, 1%" RES0402#1 37.225,77.3 r180 bottom
R201 "5.1k, 5%" RES0402#1 26.675,77.925 r270 bottom
R202 "680R, 1%" RES0402#1 43.25,87.85 r180 bottom
R203 "44.2k, 1%" RES0402#1 37.225,76.2 r0 bottom
R204 "10R, 1%" RES0603#2 22.725,74.525 r0 bottom
R205 "470k, 1%" RES0402#1 40.425,78.075 r0 bottom
R206 "22.1k, 1%" RES0402#1 40.425,79.175 r0 bottom
R207 "330R, 1%" RES2512 11.45,83.8 r90 bottom
R208 "0R" RES0402#1 24.95,78.5 r180 bottom
R209 "768R, 1%" RES0402#1 38.825,77.575 r270 bottom
R210 "22k, 1%" RES0402#1 41.155,87.747 r270 bottom
R211 "15k, 1%" RES0402#1 41.15,89.975 r90 bottom
R212 "3.92k, 1%" RES0402#1 37.212,91.262 r180 bottom
R213 "5.1k, 5%" RES0402#1 29.575,70.95 r90 bottom
R214 "150k, 1%" RES0402#1 28.346,70.954 r90 bottom
R215 "0.1R, 1%" RES2512 22.1,93.425 r180 bottom
R216 "2k2, 1%" RES0402#1 26,70.95 r90 bottom
R217 "10k, 1%" RES0402#1 65.325,95.95 r90 bottom
R218 "1k, 1%" RES0402#1 71.636,73.575 r180 bottom
R219 "44.2k, 1%" RES0402#1 65.325,93.45 r90 bottom
R220 "5.1k, 5%" RES0402#1 71.616,76.895 r180 bottom
R221 "5.1k, 5%" RES0402#1 72.716,74.67 r180 bottom
R222 "5.1k, 5%" RES0402#1 72.166,71.97 r90 bottom
R223 "5.1k, 5%" RES0402#1 72.166,69.845 r270 bottom
R224 "1k, 1%" RES0402#1 70.016,77.395 r90 bottom
R225 "2k2, 1%" RES0402#1 10.02,2.43 r90 bottom
R226 "2.4k, 1%" RES0402#1 71.116,75.17 r270 bottom
R227 "2.4k, 1%" RES0402#1 71.066,71.97 r90 bottom
R228 "2.4k, 1%" RES0402#1 71.066,69.845 r270 bottom
R229 "0R" RES0402#1 11.12,2.43 r90 bottom
R230 "2k2, 1%" RES0402#2 47.125,101.3 r270 top
R231 "10k, 1%" RES0402#1 63.891,69.295 r270 bottom
R232 "10k, 1%" RES0402#1 69.116,69.295 r270 bottom
R233 "10k, 1%" RES0402#1 63.291,71.57 r270 bottom
R234 "0R" RES0402#1 62.166,69.795 r180 bottom
R235 "0R" RES0402#1 61.566,72.07 r180 bottom
R236 "10k, 1%" RES0402#1 65.116,69.295 r90 bottom
R237 "0R" RES0805 40.875,97.05 r90 bottom
R238 "10k, 1%" RES0402#2 40.591,35.948 r0 top